# Altium PCB HIL_RIG_REV_1_1.PcbDoc (part 4 of 5)
Units mil, origin at the board's own origin, x right, y up, seen from the top; angles counter-clockwise.
Board outline 16250 x 7870 mil, 6 copper layers (Top Layer, Int1 (GND), Int2 (PWR), Int3 (Sign), Int4 (GND), Bottom Layer), stack 60.566 mil thick; 1117 components, 704 nets, 3589 pads, 6 vias.
Unrouted connection lines stored in the file: 2596.
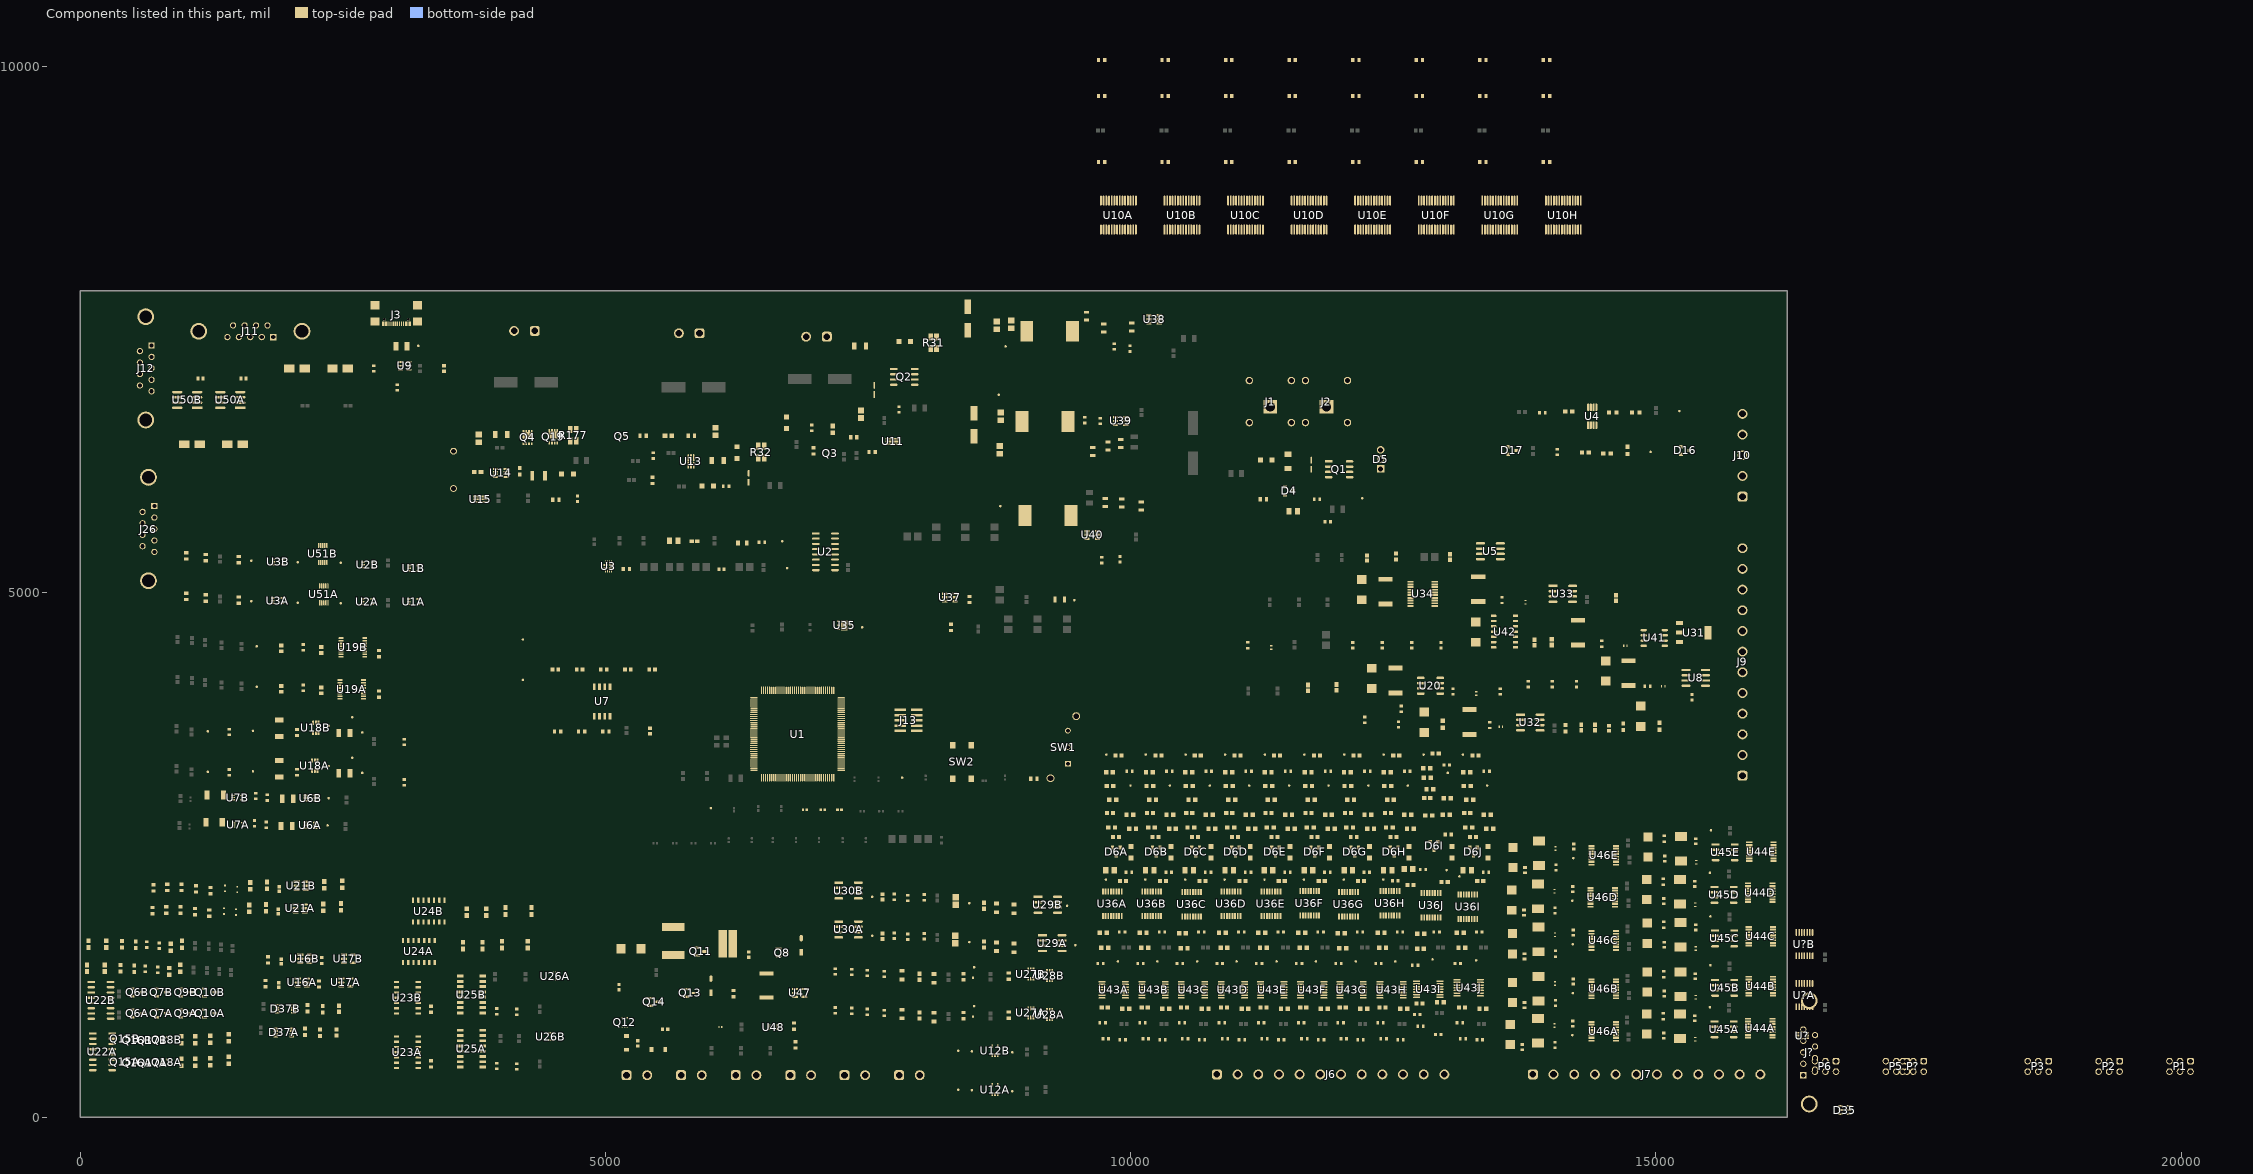
[diagram p6: the components of this part, seen from the top]

## Part data (continued)
C51 C68: library part CMP-001-00109-1, "0603 1 uF 16 V -20 / +80% Tolerance Y5V SMT Multilayer Ceramic Capacitor", Case/Package=0603, Max Operating Temperature=85°C, Min Operating Temperature=-30°C, Tolerance=80%, Voltage Rating=16V, Mounting Technology="Surface Mount"
C69A C69B C70A C70B: library part CMP-001-00005-6, "Chip Capacitor, 1 uF, +/- 10%, 25 V, 0603 (1608 Metric)", Capacitor Type=Ceramic, Case/Package=0603, Max Operating Temperature=125°C, Min Operating Temperature=-55°C, Tolerance=10%, Voltage Rating=25V, Mounting Technology=SM, Pins=2, RoHS Compliant=True
C79A C79B C79C C79D C79E C79F C79G C79H C79I C79J C80A C80B C80C C80D C80E C80F C80G C80H C80I C80J C82A C82B C82C C82D C82E C82F C82G C82H C82I C82J C83A C83B C83C C83D C83E C83F C83G C83H C83I C83J C98A C98B C100A C100B: library part CMP-001-00116-1, "Ceramic Capacitor, Multilayer, Ceramic, 16V, 10% +Tol, 10% -Tol, X7R, 15% TC, 0.001uF, Surface Mount, 0603", Case/Package=0603, Dielectric=X7R, Dielectric Material=Ceramic, Max Operating Temperature=125°C, Min Operating Temperature=-55°C, Temperature Coefficient=30ppm/°C, Voltage Rating=16V, China RoHS=Compliant, Country of Origin=Mexico, Export Control Classification Number (ECCN) Code=EAR99, Harmonized Tariff Schedule (HTS) Code=8532.24.00.20, Height=800µm, Introduction Date=2012-02-16, Length=1.6mm, Lifecycle Status=Production, Material=Ceramic, Mounting Technology="Surface Mount", Number of Terminals=2, REACH SVHC=Yes, RoHS=Compliant, Voltage Rating (DC)=16V, Width=800µm
C88A C88B: library part CMP-001-00115-1, "Multilayer Ceramic Capacitors MLCC - SMD/SMT 50V 100pF X8R 0603 1%", Case/Package=0603, Dielectric=X8R, Dielectric Material=Ceramic, Max Operating Temperature=150°C, Min Operating Temperature=-55°C, Temperature Coefficient=30ppm/°C, Voltage Rating=50V, China RoHS=Compliant, Country of Origin=Mexico, Export Control Classification Number (ECCN) Code=EAR99, Harmonized Tariff Schedule (HTS) Code=8532.24.00.20, Height=800µm, Introduction Date=2017-10-02, Lead Free="Lead Free", Length=1.6mm, Lifecycle Status=Production, Material=Ceramic, Mounting Technology="Surface Mount", Number of Terminals=2, REACH SVHC=Yes, RoHS=Compliant, Schedule B="8532240020, 8532240020", Voltage Rating (DC)=50V, Width=800µm
C101: library part CMP-001-00091-1, "Ceramic Capacitor, Multilayer, Ceramic, 50V, 5% +Tol, 5% -Tol, X7R, 15% TC, 0.01uF, Surface Mount, 0603", Case/Package=0603, Max Operating Temperature=125°C, Min Operating Temperature=-55°C, Tolerance=5%, Voltage Rating=50V, Mounting Technology="Surface Mount"
C103 C106 C109 C113 C114 C116 C174: library part CMP-001-00123-1, "50V 1uF X7R ±10% 0603 Multilayer Ceramic Capacitors MLCC - SMD/SMT ROHS", Case Code (Imperial)=0603, Case Code (Metric)=1608, Dielectric=X7R, Dielectric Material=Ceramic, Max Operating Temperature=125°C, Min Operating Temperature=-55°C, Tolerance=10%, Voltage Rating=50V, Case/Package=0603, China RoHS=Compliant, Composition=Ceramic, Country of Origin="Mainland China, Taiwan", Export Control Classification Number (ECCN) Code=EAR99, Halogen Free="Halogen Free", Harmonized Tariff Schedule (HTS) Code=8532.24.00.20, Height=800µm, Introduction Date=2014-07-08, Lead Free="Lead Free", Length=1.6mm, Lifecycle Status=Production, Material=Ceramic, Mounting Technology="Surface Mount", Number of Terminals=2, Packaging="Tape & Reel (TR)", REACH SVHC=Yes, RoHS=Compliant, Schedule B="8532240020, 8532240020", Termination=SMD/SMT, Thickness=889µm, Voltage Rating (DC)=50V, Weight=2.012816mg, Width=800µm
C110: library part CMP-001-00121-1, "35V 10uF X5R ±20% 0603 Multilayer Ceramic Capacitors MLCC - SMD/SMT ROHS", Case Code (Imperial)=0603, Case Code (Metric)=1608, Dielectric=X5R, Dielectric Material=Ceramic, Manufacturer Lifecycle Status="IN PRODUCTION", Max Operating Temperature=85°C, Min Operating Temperature=-55°C, Tolerance=20%, Voltage Rating=35V, Case/Package=0603, Height=800µm, Length=1.6mm, Lifecycle Status=Production, Material=Ceramic, Mounting Technology="Surface Mount", Number of Terminals=2, REACH SVHC=Yes, RoHS=Compliant, Schedule B="8532240020, 8532240020", Thickness=800µm, Voltage Rating (DC)=35V, Width=800µm
C111: library part CMP-001-00119-1, "Multilayer Ceramic Capacitors MLCC - SMD/SMT 50V 2.2uF X5R 0603 10% HI CV", Case/Package=0603, Dielectric=X5R, Dielectric Material=Ceramic, Max Operating Temperature=85°C, Min Operating Temperature=-55°C, Tolerance=10%, Voltage Rating=50V, China RoHS=Compliant, Country of Origin="Mainland China, Taiwan", Export Control Classification Number (ECCN) Code=EAR99, Halogen Free="Halogen Free", Harmonized Tariff Schedule (HTS) Code=8532.24.00.20, Height=800µm, Introduction Date=2017-06-16, Lead Free="Lead Free", Length=1.6mm, Lifecycle Status=Production, Material=Ceramic, Mounting Technology="Surface Mount", Number of Terminals=2, REACH SVHC=Yes, RoHS=Compliant, Voltage Rating (DC)=50V, Width=800µm
C122 C133: library part CMP-001-00122-1, "Cap Aluminum Polymer 10uF 50VDC 20%( 6.3 X 5.9mm) SMD 0.04 Ohm 2500mA 5000h 105C T/R", Case/Package=Radial, Max Operating Temperature=105°C, Min Operating Temperature=-55°C, Ripple Current=125mA, Ripple Current (AC)=2.5A, Tolerance=20%, Voltage Rating=50V, Mounting Technology="Surface Mount", Pins=6
C123 C124 C129 C130 C131 C134 C135: library part CMP-001-00126-1, "50V 4.7uF X5R ±20% 0805 Multilayer Ceramic Capacitors MLCC - SMD/SMT ROHS", Case/Package=0805, Max Operating Temperature=85°C, Min Operating Temperature=-55°C, Tolerance=20%, Voltage Rating=50V, Mounting Technology="Surface Mount"
C125 C126 C127 C136 C137 C138 C145 C146 C147: library part CMP-001-00112-1, "Ceramic Capacitor, Multilayer, Ceramic, 100V, 10% +Tol, 10% -Tol, X7S, 22% TC, 1uF, Surface Mount, 0805", Case/Package=0805, Max Operating Temperature=125°C, Min Operating Temperature=-55°C, Tolerance=10%, Voltage Rating=100V, Mounting Technology="Surface Mount"
C155A C155B: library part CMP-001-00130-1, "Cap Tant Solid 2.2uF 10V R CASE 20% (2.05 X 1.3 X 1.2mm) Inward L SMD 2012-12 15 Ohm 125C T/R", Case Code (Imperial)=0805, Case Code (Metric)=2012, ESR (Equivalent Series Resistance)=15Ω, Leakage Current=500nA, Manufacturer Package Identifier="0805 (2012 metric)", Max Operating Temperature=125°C, Min Operating Temperature=-55°C, Ripple Current=24mA, Tolerance=20%, Voltage Rating=10V, Case/Package=0805, China RoHS=Compliant, Country of Origin="Czechia, El Salvador", Depth=1.3mm, Dissipation Factor=6%, Export Control Classification Number (ECCN) Code=EAR99, Features="General Purpose", Harmonized Tariff Schedule (HTS) Code=8532.21.00.50, Height=1.2mm, Height - Seated (Max)=1.1938mm, Introduction Date=2005-08-25, Lead Free="Lead Free", Length=2.05mm, Life (Hours)=2000hours, Lifecycle Status=Production, Mounting Technology="Surface Mount", Number of Terminals=2, Pins=2, Polarity=Polar, Radiation Hardening=No, REACH SVHC=Yes, RoHS=Compliant, Schedule B=8532210050, Termination=SMD/SMT, Voltage Rating (DC)=10V, Width=1.3mm
C157: library part CMP-001-00131-1, "25V 4.7uF X5R ±10% 0603 Multilayer Ceramic Capacitors MLCC - SMD/SMT ROHS", Case/Package=0603, Dielectric=X5R, Dielectric Material=Ceramic, Max Operating Temperature=85°C, Min Operating Temperature=-55°C, Tolerance=10%, Voltage Rating=25V, Country of Origin=Philippines, Export Control Classification Number (ECCN) Code=EAR99, Harmonized Tariff Schedule (HTS) Code=8532.24.00.20, Height=800µm, Introduction Date=2013-01-29, Length=1.6mm, Lifecycle Status=Production, Material=Ceramic, Mounting Technology="Surface Mount", Number of Terminals=2, REACH SVHC=Yes, RoHS=Compliant, Thickness=800µm, Voltage Rating (DC)=25V, Width=800µm
C166A C166B: library part CMP-1035-02198-2, "C0603 4,700 pF C0G 30ppm/°C 10.00% 25 V", Capacitance="4,700 pF", Manufacturer=KEMET, Manufacturer Part Number=C0603C472K3GACTU, Package=C0603C-CF, Temperature="-55°C to +125°C", Temperature Characteristic=C0G, Temperature Coefficient=30ppm/°C, Temperature Range High=+125°C, Temperature Range Low=-55°C, Tolerance=0.1, Voltage Rating="25 V", Automotive=Yes, Automotive Grade="Grade 1", Category=Cap, ComponentLink2Description=Datasheet, ComponentLink2URL=https://api.kemet.com/component-edge/download/datasheet/C0603C100J5GACAUTO.pdf, Device Class L1="Passive Components", Device Class L2=Capacitors, Device Class L3="Ceramic Capacitors", Height=0.87mm, Lead Free=Yes, Material=Ceramic, Mouser Description="Cap Ceramic 0.0047uF 25V C0G 10% SMD 0603 125°C Punched Paper T/R", Octopart=https://octopart.com/c0603c472k3gactu-kemet-20067470, RoHS=TRUE
D1A D1B D1C D1D D1E D1F D1G D1H D1I D1J D3 D11 D14 D36: "Diode ESD (Uni-directional)", Manufacturer_Name=Nexperia, Mouser Part Number=771-PTVS58VS1UR115, Arrow Part Number=PTVS58VS1UR,115, Arrow Price/Stock=https://www.arrow.com/en/products/ptvs58vs1ur115/nexperia?region=nac, Datasheet Link=https://assets.nexperia.com/documents/data-sheet/PTVSXS1UR_SER.pdf, Manufacturer_Part_Number=PTVS58VS1UR,115, Mouser Price/Stock=https://www.mouser.co.uk/ProductDetail/Nexperia/PTVS58VS1UR115?qs=GcY6OjH1zdlZ9KxX1lUXCw%3D%3D
D2 D10 D13: library part CMP-004-00045-1, "BZT52C15S Series 200 mW 15 V 10 mA Surface Mount Zener Diode - SOD-323", Forward Current=10mA, Forward Voltage=900mV, Max Operating Temperature=150°C, Min Operating Temperature=-65°C, Mounting Technology="Surface Mount", Pins=2
D4: library part CMP-004-00047-1, "Diode, Zener, Vr 47V, If 10MA, Pkg SOT-23 (TO-236), Vf 0.9V, Cj 40PF, Tj +150C, Ir 2MA", Case/Package=SOT-23-3, Forward Voltage=900mV, Max Operating Temperature=150°C, Min Operating Temperature=-65°C, Pins=3
D5: "Integrated Circuit", Manufacturer_Name=LITTELFUSE, Mouser Part Number=863-C106MG, Arrow Part Number=C106MG, Arrow Price/Stock=https://www.arrow.com/en/products/c106mg/littelfuse?utm_currency=USD&region=europe, Datasheet Link=https://m.littelfuse.com/~/media/electronics/datasheets/switching_thyristors/littelfuse_thyristor_c106_d_datasheet.pdf.pdf, Height=2.8mm, Manufacturer_Part_Number=C106MG, Mouser Price/Stock=https://www.mouser.co.uk/ProductDetail/Littelfuse/C106MG?qs=sK5eIuwOod7zMKL78CI8oQ%3D%3D
D6A D6B D6C D6D D6E D6F D6G D6H D6I D6J D16 D17: library part CMP-004-00056-1, "Diode Standard Recovery Rectifier 85 Volt 0.16A 3-Pin SOT-23 Tape and Reel", Case/Package=SOT-23, Forward Current=150mA, Forward Voltage=900mV, Max Operating Temperature=150°C, Max Surge Current=4A, Min Operating Temperature=-65°C, Mounting Technology="Surface Mount", Pins=3
D7: library part CMP-004-00059-1, "1N4751 Series 1 W 30 V 5 uA Axial Through Hole Zener Diode - DO-41", Case/Package=DO-41-2, Max Operating Temperature=200°C, Min Operating Temperature=-65°C, Mounting Technology="Through Hole", Pins=2
D9 D12: library part CMP-004-00064-1, "PMEG6020 Series 60 V 2 A SMT Llow VF MEGA Schottky Barrier Rectifier - SOD-123W", Forward Current=2A, Forward Voltage=530mV, Max Operating Temperature=150°C, Min Operating Temperature=-55°C, Pins=2
D15A D15B D20A D20B: library part CMP-004-00060-1, "ESD5B5.0S Series 5.8 V 50 W 32 pF SMT ESD Protection Diode - SOD-523", Breakdown Voltage=6.8V, Case/Package=SOD-523-2, Forward Voltage=900mV, Leakage Current=1µA, Manufacturer Lifecycle Status=ACTIVE, Max Breakdown Voltage=7.8V, Max Operating Temperature=150°C, Max Power Dissipation=200mW, Min Breakdown Voltage=5.8V, Min Operating Temperature=-55°C, Operating Supply Voltage=5V, Peak Pulse Current=30A, Peak Pulse Power=50W, Power Line Protection=No, Test Current=1mA, China RoHS=Compliant, Composition=Zener, Contact Plating=Tin, Country of Origin="Mainland China", Depth=800µm, Direction=Bidirectional, Element Configuration=Single, ESD Protection=Yes, Export Control Classification Number (ECCN) Code=EAR99, Halogen Free="Halogen Free", Harmonized Tariff Schedule (HTS) Code=8541.10.00.50, Height=700µm, Introduction Date=2006-11-08, Lead Free="Lead Free", Length=1.2mm, Lifecycle Status=Production, Max Reverse Leakage Current=1µA, Number of Bidirectional Channels=1, Number of Channels=1, Number of Elements=1, Number of Lines=1, Number of Terminals=2, Packaging="Tape and Reel", Peak Reverse Current=1µA, Pins=2, Polarity=Bidirectional, Power Dissipation=50W, Radiation Hardening=No, REACH SVHC=Yes, Reverse Standoff Voltage=5V, RoHS=Compliant, Schedule B="8536300000, 8536300000", Termination=SMD/SMT, Width=900µm, Working Voltage=5V
D18 D19 D23 D24 D25 D26 D27A D27B D27C D27D D27E D28A D28B D28C D28D D28E D30: library part CMP-08607-000081-1, "TVS DIODE 28V 45.4V DO214AA", Breakdown Voltage=31.1V, Clamping Voltage=45.4V, Manufacturer="Littelfuse Inc", Max Junction Temp=+150°C, Package=SMBJ, Peak Pulse Current=13.3A, Peak Pulse Power=600W, Reverse Standoff Voltage=28V, Temperature="-65°C to +150°C", Temperature Range Low=-65°C, Automotive=No, Category=Diode, ComponentLink2Description=Datasheet, ComponentLink2URL=https://www.littelfuse.com/~/media/electronics/datasheets/tvs_diodes/littelfuse_tvs_diode_smbj_datasheet.pdf.pdf, Device Class L1="Circuit Protection", Device Class L2="TVS Diodes", Device Class L3=unset, Digikey Description="TVS DIODE 28V 45.4V DO214AA", Direction=Unidirectional, Height=2.61mm, Lead Free=Yes, Manufacturer Part Number=SMBJ28A, Mouser Description="Littelfuse SMBJ28A, Uni-Directional TVS Diode, 600W, 2-Pin DO-214AA", Number of Channels=1, Octopart=https://octopart.com/smbj28a-littelfuse-350790, RoHS=TRUE, Temperature Range High=+150°C
D21A D21B D22A D22B: library part CMP-004-00063-1, "SMD TVS diode, bidirectional, 400 W, 5 V, DO-214AC, Bourns Electronics GmbH SMAJ5.0CA", Breakdown Voltage=6.7V, Case/Package=SMA, Clamping Voltage=9.2V, Leakage Current=1.6mA, Max Breakdown Voltage=7V, Max Junction Temperature (Tj)=150°C, Max Power Dissipation=1W, Max Surge Current=40A, Min Breakdown Voltage=6.4V, Min Operating Temperature=-55°C, Operating Supply Voltage=5V, Peak Pulse Current=43.5A, Peak Pulse Power=400W, Power Line Protection=No, Test Current=10mA, China RoHS=Non-Compliant, Composition=Zener, Contact Plating=Tin, Direction=Bidirectional, Element Configuration=Single, ESD Protection=Yes, Height=2.62mm, Lifecycle Status=Production, Max Operating Temperature=150°C, Max Reverse Leakage Current=1.6mA, Mounting Technology="Surface Mount", Number of Bidirectional Channels=1, Number of Channels=1, Number of Elements=1, Number of Terminals=2, Packaging="Tape & Reel", Peak Reverse Current=1.6mA, Pins=2, Polarity=Bidirectional, Radiation Hardening=No, REACH SVHC=No, Reverse Breakdown Voltage=6.4V, Reverse Standoff Voltage=5V, RoHS=Compliant, Schedule B=8541100080, Termination=SMD/SMT
D29 D32: library part CMP-0303-00003-3, "DIODE SCHOTTKY 40V 1A SOD123", Average Rectified Current=1A, Capacitance=110pF, Case/Package=SOD-123-2, Forward Voltage=450mV, Max Forward Surge Current (Ifsm)=25A, Max Operating Temperature=125°C, Max Power Dissipation=450mW, Max Repetitive Reverse Voltage (Vrrm)=40V, Min Operating Temperature=-65°C, Package Quantity=3000, Peak Reverse Current=50uA, Contact Plating=Tin, Current Rating=1A, Element Configuration=Single, Forward Current=1A, Height=1.25mm, Lead Free="Lead Free", Length=2.85mm, Max Reverse Voltage (DC)=40V, Number of Pins=2, Output Current=1A, Packaging="Tape and Reel", Peak Non-Repetitive Surge Current=25A, Polarity=Standard, Radiation Hardening=No, REACH SVHC="No SVHC", Termination=SMD/SMT, Voltage Rating (DC)=40V, Weight=0.000353oz, Width=1.7mm
D31: library part CMP-1060-00319-1, "Zener Voltage Regulator, 500 mW, 2-Pin SOD-123, Pb-Free, Tape and Reel", Manufacturer="On Semiconductor", ComponentLink1Description="Manufacturer URL", ComponentLink1URL=http://www.onsemi.com/, ComponentLink2Description=Datasheet, ComponentLink2URL=http://www.onsemi.cn/pub_link/Collateral/MMSZ5221BT1-D.PDF, ComponentLink3Description="Package Specification", ComponentLink3URL=http://www.onsemi.com/pub_link/Collateral/425-04.PDF, DatasheetVersion="Rev. 12", Mounting Technology="Surface Mount", P Max (W)=0.5, PackageDescription="2-Pin SOD, Body 1.6 x 2.69 mm", PackageReference=SOD-123-2-425-04, PackageVersion="Rev. G, 10/2009", Packing="Tape and Reel", PartNumber=SZMMSZ5255BT1G, RoHS=Pb-Free, VZ Typ (V)=28
D33: library part CMP-1060-00485-1, "Zener Voltage Regulator, 500 mW, 2-Pin SOD-123, Pb-Free, Tape and Reel", Manufacturer="On Semiconductor", ComponentLink1Description="Manufacturer URL", ComponentLink1URL=http://www.onsemi.com/, ComponentLink2Description=Datasheet, ComponentLink2URL=http://www.onsemi.cn/pub_link/Collateral/MMSZ5221BT1-D.PDF, ComponentLink3Description="Package Specification", ComponentLink3URL=http://www.onsemi.com/pub_link/Collateral/425-04.PDF, DatasheetVersion="Rev. 12", Mounting Technology="Surface Mount", P Max (W)=0.5, PackageDescription="2-Pin SOD, Body 1.6 x 2.69 mm", PackageReference=SOD-123-2-425-04, PackageVersion="Rev. G, 10/2009", Packing="Tape and Reel", PartNumber=SZMMSZ5244BT1G, RoHS=Pb-Free, VZ Typ (V)=14
D34: "TVS Diode (Bi-directional)", Manufacturer_Name="Texas Instruments", Mouser Part Number=595-ESD501DPYR, Arrow Part Number=ESD501DPYR, Arrow Price/Stock=https://www.arrow.com/en/products/esd501dpyr/texas-instruments?utm_currency=USD&region=nac, Datasheet Link=https://www.ti.com/lit/ds/symlink/esd501.pdf?ts=1738328273013&ref_url=https%253A%252F%252Fwww.mouser.ph%252, Height=0.45mm, Manufacturer_Part_Number=ESD501DPYR, Mouser Price/Stock=https://www.mouser.co.uk/ProductDetail/Texas-Instruments/ESD501DPYR?qs=a2MtRaTmNORm212mp2T0lg%3D%3D
D35 U9: library part CMP-004-00048-1, "IP4234CZ6 Series 4 Channel Single USB 2.0 ESD Protection Surface Mount - TSOP-6", Case/Package=TSOP, Max Operating Temperature=85°C, Min Operating Temperature=-40°C, Mounting Technology="Surface Mount", Pins=6
D37A D37B: "Integrated Circuit", Manufacturer_Name="Texas Instruments", Mouser Part Number=595-PCA9306DCTT, Arrow Part Number=PCA9306DCTT, Arrow Price/Stock=https://www.arrow.com/en/products/pca9306dctt/texas-instruments?utm_currency=USD&region=nac, Datasheet Link=http://www.ti.com/lit/gpn/pca9306, Height=1.3mm, Manufacturer_Part_Number=PCA9306DCTT, Mouser Price/Stock=https://www.mouser.co.uk/ProductDetail/Texas-Instruments/PCA9306DCTT?qs=wgAEGBTxy7mcoWDi%252ByJu0w%3D%3D
F1A F1B F6A F6B: library part CMP-005-00022-1, "Fuse 63V Fa Halogen Free Slim 1206 .500A/ T&r Rohs Compliant: Yes", Case Code (Imperial)=1206, Case Code (Metric)=3216, Current=500mA, Max Operating Temperature=90°C, Min Operating Temperature=-55°C, Power Dissipation=79.2mW, Ratings="CE, CSA, TUV", Voltage Rating=63V, Approvals="CSA, UL", Case/Package=1206, Current Rating=500mA, Depth=1.52mm, Export Control Classification Number (ECCN) Code=EAR99, Fuse Current=500mA, Harmonized Tariff Schedule (HTS) Code=8536.10.00.40, Height=584µm, Housing Material=Ceramic, Introduction Date=2008-01-16, Length=3.175mm, Lifecycle Status=Production, Mounting Technology="Surface Mount", REACH SVHC=No, RoHS=Compliant, Time to Trip=200ms, Voltage Rating (AC)=63V, Voltage Rating (DC)=63V, Width=1.524mm
F2: library part CMP-005-00020-1, "Fuse Chip Fast Acting 2A 63V SMD Solder Pad 1206 T/R", Case/Package=1206, Current Rating=2A, Max Operating Temperature=105°C, Min Operating Temperature=-20°C, Mounting Technology="Surface Mount"
F3: library part CMP-005-00016-1, "Electric Fuse, Fast Blow, 1A, 63VAC, 63VDC, 50A (IR), Supplemental, Surface Mount, 1206", Case/Package=1206, Current Rating=1A, Max Operating Temperature=90°C, Min Operating Temperature=-55°C, Mounting Technology="Surface Mount"
F4 F5 F6: "Fuse", Manufacturer_Name=Bourns, Mouser Part Number=652-SF-1206FP150-2, Arrow Part Number=SF-1206FP150-2, Arrow Price/Stock=https://www.arrow.com/en/products/sf-1206fp150-2/bourns?utm_currency=USD&region=nac, Datasheet Link=https://www.arrow.com/en/products/sf-1206fp150-2/bourns, Height=0.7mm, Manufacturer_Part_Number=SF-1206FP150-2, Mouser Price/Stock=https://www.mouser.co.uk/ProductDetail/Bourns/SF-1206FP150-2?qs=YCa%2FAAYMW02QT85STQYHfQ%3D%3D
F7 F9 F11 F13 F15 F17 F19A F19B F19C F19D F19E F21A F21B F21C F21D F21E: library part CMP-04585-000002-1, "FUSE BOARD MOUNT 50MA 32VDC 0402", Fuse Current=50mA, Fuse Voltage Drop=250mV, Manufacturer="AVX Corporation", Package=F0402G, Resistance=3.4Ω, Temperature="-55°C to +125°C", Temperature Range High=+125°C, Temperature Range Low=-55°C, Voltage Rating=32V, Automotive=No, Category=Fuse, ComponentLink2Description=Datasheet, ComponentLink2URL=http://datasheets.avx.com/AccuGuardLC_0402.pdf, Device Class L1="Circuit Protection", Device Class L2=Fuses, Device Class L3=unset, Digikey Description="FUSE BOARD MOUNT 50MA 32VDC 0402", Fuse Blow Speed=Fast, Height=0.4mm, Lead Free=Yes, Manufacturer Part Number=F0402G0R05FNTR, Mouser Description="Surface Mount Fuses 0402 50mA fuse", Octopart=https://octopart.com/f0402g0r05fntr-avx-19631750, RoHS=TRUE
F8 F10 F12 F14 F16 F18 F20A F20B F20C F20D F20E F22A F22B F22C F22D F22E: library part CMP-16043-000015-1, "PTC RESET FUSE 60V 10MA 0603"
F23: "Fuse", Manufacturer_Name="Bel Circuit Protection", Datasheet Link=https://www.mouser.com.tr/datasheet/2/643/ds_CP_0ZAF_series-3368882.pdf, Height=2.6mm, Manufacturer_Part_Number=0ZAF0005FF28
FB1: library part CMP-006-00025-1, "Ferrite Beads Multi-Layer 120Ohm 25% 100MHz 500mA 250mOhm DCR 0402 Paper T/R", Case/Package=0402, Current Rating=500mA, Max Operating Temperature=125°C, Min Operating Temperature=-55°C, Tolerance=25%, Max Current Rating=500mA, Mounting Technology="Surface Mount"
J1 J2: "Connector", Manufacturer_Name="CLIFF ELECTRONIC COMPONENTS"
  J1: Datasheet Link=http://www.cliffuk.co.uk/products/testleads/sockets/S16NPC.pdf, Height=11.5mm, Manufacturer_Part_Number=FCR7350R
  J2: Datasheet Link=https://www.cliffuk.co.uk/products/testleads/sockets/S16NPC.pdf, Height=12.3mm, Manufacturer_Part_Number=FCR7350B
J3: library part CMP-002-00074-1, "USB Connector, 16 Contact(s), Male, Right Angle, Surface Mount Terminal, Locking, Receptacle", Contact Resistance=50mΩ, Dielectric Material=Polyethylene, Insulation Resistance=100MΩ, Max Operating Temperature=85°C, Min Operating Temperature=-40°C, Voltage Rating=20V, China RoHS=Compliant, Contact Gender=Male, Contact Material="Gold, Nickel", Country of Origin="Mainland China", Export Control Classification Number (ECCN) Code=EAR99, Gender=Receptacle, Harmonized Tariff Schedule (HTS) Code=8536.69.40.30, Height=3.46mm, Introduction Date=2021-04-15, Lifecycle Status=Production, Number of Contacts=16, Number of Ports=1, Number of Rows=1, Orientation=Horizontal, Pins=16, REACH SVHC=Yes, RoHS=Compliant, Shell Finish=Nickel, Shell Material="Stainless Steel", Terminal Pitch=500µm, USB Standard="USB 2.0"
J4 J5 J8 J20 J21 J22 J23 J24 J25: library part CMP-002-00093-1, "WR-TBL Terminal block - PCB Header - THT", Color=Green, Current=20A, Manufacturer Lifecycle Status=ACTIVE, Max Operating Temperature=105°C, Min Operating Temperature=-40°C, Voltage=300V, Connector Type="PCB, Terminal Block", Contact Material=Tin, Contact Plating=Tin, Current Rating=20A, Gender=Male, Height=8.7mm, Lead Pitch=5mm, Length=11.4mm, Lifecycle Status=Production, Mounting Technology="Through Hole", Number of Contacts=2, Number of Levels=1, Number of Positions Per Level=2, Number of Rows=1, Packaging=Box, Pins=2, Pitch=5mm, REACH SVHC=Unknown, RoHS=Compliant, Termination=Solder, Voltage Rating=300V, Width=12mm, YEOL="1 = Estimated lifetime > 10 years"
J6 J7 J9: library part CMP-002-00096-1, "Terminal Block, R/A Header, 12Pos, Th Rohs Compliant: Yes", Manufacturer Lifecycle Status=ACTIVE, Max Operating Temperature=105°C, Min Operating Temperature=-40°C, Contact Plating=Tin, Length=61.4mm, Lifecycle Status=Production, Packaging=Box, Pins=12, Pitch=5mm, RoHS=Compliant, YEOL="1 = Estimated lifetime > 10 years"
J10: library part CMP-002-00094-1, "Terminal Block, 5.00MM Pitch, Close Horizontal Pcb Header, 300VAC, 5 Pins", Color=Green, Current=20A, Manufacturer Lifecycle Status=ACTIVE, Max Operating Temperature=105°C, Min Operating Temperature=-40°C, Voltage=300V, Connector Type="PCB, Terminal Block", Contact Gender=Male, Contact Material=Brass, Contact Plating=Tin, Gender=Male, Height=12mm, Lead Pitch=5mm, Length=26.4mm, Lifecycle Status=Production, Mounting Technology="Through Hole", Number of Contacts=5, Number of Levels=1, Number of Positions Per Level=5, Number of Rows=1, Packaging=Box, Pins=5, Pitch=5mm, REACH SVHC=No, RoHS=Compliant, Termination=Solder, Width=27mm, YEOL="1 = Estimated lifetime > 10 years"
J11 J12 J26 J?: library part CMP-011-000000-1, "9 Position D-Sub Plug, Male Pins Connector", Package=None, Check_prices=https://www.snapeda.com/parts/A-DS%2009%20A/KG-T2S/Assmann+Electronics/view-part/?ref=eda, Component Type=Standard, Design Item ID=A-DS_09_A_KG-T2S, MF="Assmann WSW", MP="A-DS 09 A/KG-T2S", Pin Count=11, SnapEDA_Link=https://www.snapeda.com/parts/A-DS%2009%20A/KG-T2S/Assmann+Electronics/view-part/?ref=snap, Source=A-DS_09_A_KG-T2S.SchLib
J13: library part CMP-002-00092-1, "CONN, HEADER, 10POS, 2ROW, 1.27MM; Available until stocks are exhausted Alternative available", Current Rating=1A, Insulation Resistance=1GΩ, Manufacturer Lifecycle Status=ACTIVE, Max Operating Temperature=105°C, Min Operating Temperature=-40°C, Length=11.1mm, Lifecycle Status=Production, Pins=10, Pitch=1.27mm, RoHS=Compliant, YEOL="1 = Estimated lifetime > 10 years"
L1: library part SRP1265A-330M, "Inductor", Manufacturer_Name=Bourns, Mouser Part Number=652-SRP1265A-330M, Arrow Part Number=SRP1265A-330M, Arrow Price/Stock=https://www.arrow.com/en/products/srp1265a-330m/bourns?utm_currency=USD&region=nac, Datasheet Link=http://www.bourns.com/docs/Product-Datasheets/SRP1265A.pdf, Manufacturer_Part_Number=SRP1265A-330M, Mouser Price/Stock=https://www.mouser.co.uk/ProductDetail/Bourns/SRP1265A-330M?qs=7z%252BmIopC6%2FLdNy531NHhxQ%3D%3D
L2 L3: library part CMP-006-00026-1, "Inductor Power Shielded Wirewound 22uH 20% 100KHz 20Q-Factor Carbonyl Powder 9A 0.037Ohm DCR Automotive T/R", Case/Package=Nonstandard, Current Rating=9A, Max Operating Temperature=150°C, Min Operating Temperature=-55°C, Self Resonant Frequency=6MHz, Tolerance=20%, Max Current Rating=9A, Mounting Technology="Surface Mount"
L4: library part CMP-006-00027-1, "Inductor Power Chip Shielded Multi-Layer 3.3uH 20% 1MHz Ferrite 1A 0.2Ohm DCR 1008 T/R", Case/Package=1008, Current Rating=1A, Max Operating Temperature=125°C, Min Operating Temperature=-55°C, Self Resonant Frequency=30MHz, Tolerance=20%, Max Current Rating=1A, Mounting Technology="Surface Mount"
P1 P2 P3 P5 P6 P?: library part CMP-1502-00019-3, "Wr-bhd; 2.54MM Pitch 6 Way 2 Row Shrouded Right Angle Pcb Header, Surface Mount", Color=Black, Contact Resistance=20mΩ, Current Rating=3A, Insulation Resistance=1GΩ, Max Operating Temperature=105°C, Min Operating Temperature=-40°C, Operating Supply Voltage=250V, Connector Type="Male Pin", Contact Material=Copper, Contact Plating=Gold, Gender=Male, Insulation Material=PBT, Lead Pitch=2.54mm, Length=15.28mm, Mount="Through Hole", Number of Contacts=6, Number of Pins=6, Number of Positions=6, Number of Rows=2, Pitch=2.54mm, RoHS=Compliant, Row Spacing=2.54mm, Termination=Solder
Q1 Q2: library part CMP-013-00038-1, "Dual P-Channel 60 V 0.12 Ohms Surface Mount Power Mosfet - SOIC-8", Case/Package=SO, Max Operating Temperature=175°C, Min Operating Temperature=-55°C, Mounting Technology="Surface Mount", Nominal Vgs=-3V, Pins=8
Q3 Q5 Q15A Q15B Q16A Q16B Q17A Q17B Q18A Q18B: library part CMP-013-00039-1, "on Semi MMBT3904TT1G NPN Bipolar Transistor, 0.2 A, 40 V, 3-PIN SOT-416", Case/Package=SOT-416, Frequency=300MHz, Max Operating Temperature=150°C, Min Operating Temperature=-55°C, Pins=3
Q4 Q19: "MOSFET (N-Channel)", Manufacturer_Name="Diodes Incorporated", Mouser Part Number=621-DMT69M8LFV-7, Arrow Part Number=DMT69M8LFV-7, Arrow Price/Stock=https://www.arrow.com/en/products/dmt69m8lfv-7/diodes-incorporated, Datasheet Link=https://4donline.ihs.com/images/VipMasterIC/IC/DIOD/DIOD-S-A0005038932/DIOD-S-A0005038932-1.pdf?hkey=CECEF36DEECDED6468708AAF2E19C0C6, Manufacturer_Part_Number=DMT69M8LFV-7, Mouser Price/Stock=https://www.mouser.com/Search/Refine.aspx?Keyword=621-DMT69M8LFV-7